# Altium PCB LimeSDR-X3_1v0.PcbDoc (part 17 of 25) (continued)
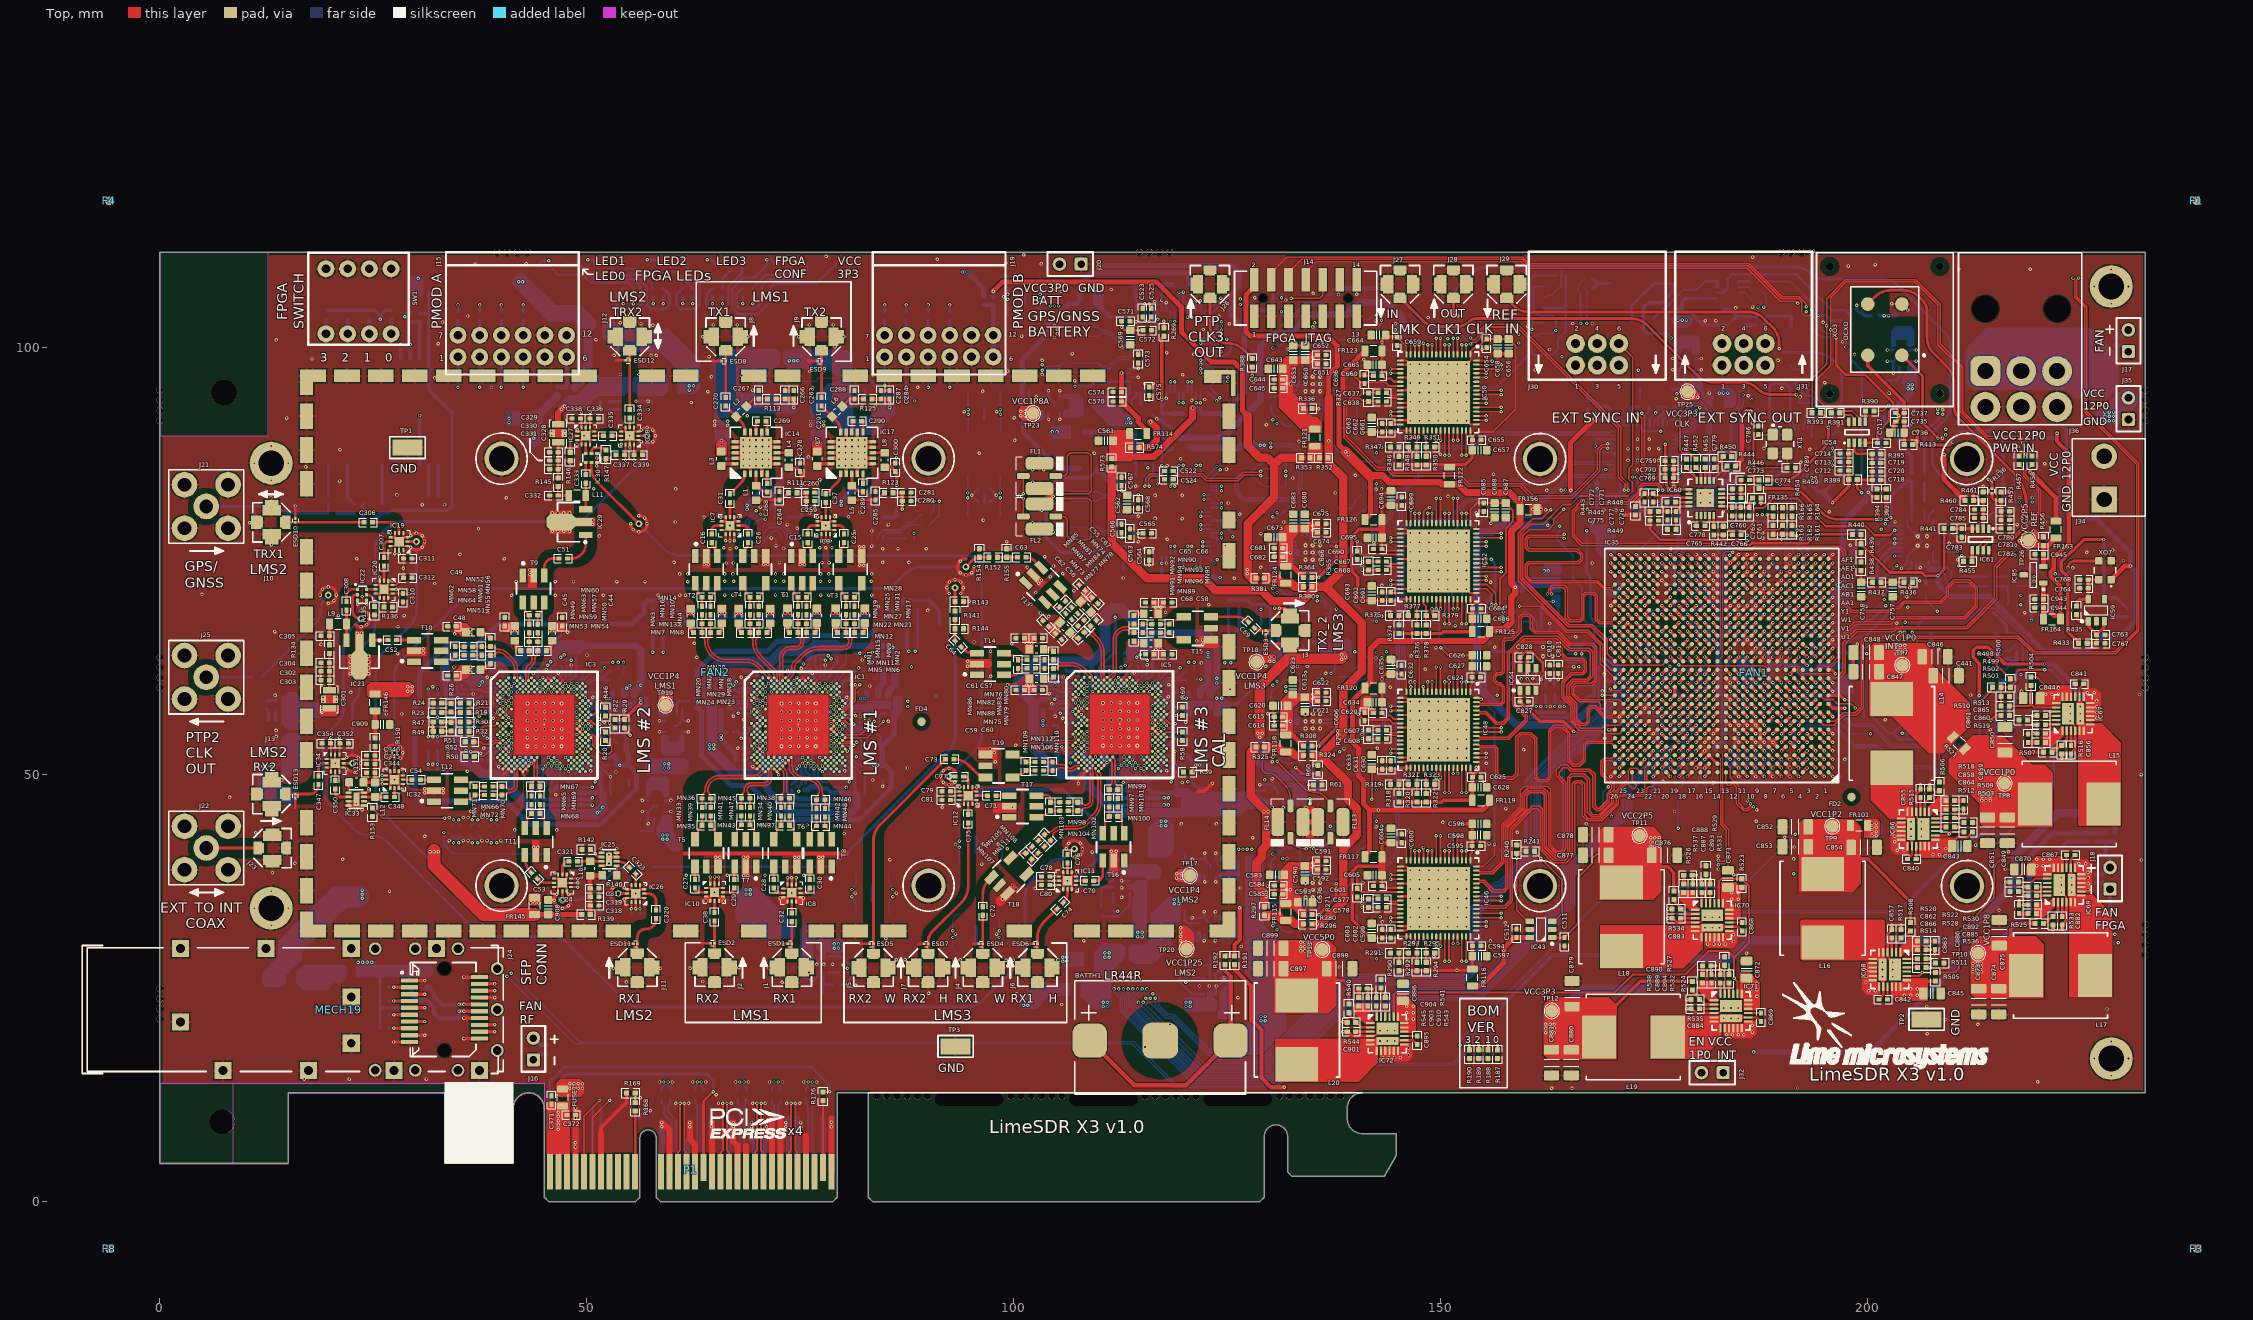
[diagram p0: Top view]
## Nets (pads, with @x,y where several pads share a name; then routed paths per layer and width w, separated by ;. In a path a pad name is that pad's centre, name@x,y a point inside that pad or via, vN(x,y) a via of type N, cw(c..) or ccw(c..) an arc to the next point about the centre after c; other vN are vias at no path point) (continued)
LMS3_BB_ADC2_DA6_P: IC35.V26 IC52.55 | length 43.8
  Top w0.15: v1(162.975,71.15) 162.975,71.218 162.85,71.343 162.85,71.625 163.125,71.9 164.4,71.9 164.575,71.725 164.575,68.367 165.067,67.875 166.35,67.875 166.75,68.275 166.75,70.85 167.025,71.125 167.825,71.125 168.075,70.875 168.075,68.136 168.561,67.65 170,67.65 IC35.V26@170.375,67.275
  Top w0.2: IC52.55@154.15,74.25 v1(157.05,74.25)
  L3 w0.1: v1(157.05,74.25) 157.109,74.25 157.259,74.1 157.65,74.1 157.825,74.275 157.825,74.622 159.303,76.1 161.383,76.1 162.108,76.825 162.833,76.825 163.5,76.158 163.5,75.192 163.108,74.8 161.1,74.8 160.425,74.125 160.425,72.539 160.55,72.414 160.55,70.158 160.783,69.925 161.175,69.925 161.375,70.125 161.375,72.458 161.667,72.75 162.558,72.75 162.825,72.483 162.825,71.359 162.975,71.209 v1(162.975,71.15)
LMS3_BB_ADC2_DB0_N: IC35.AC26 IC52.60 | length 43.6
  Top w0.15: v1(164.438,77.65) 164.37,77.65 164.245,77.775 160.329,77.775 160.125,77.571 160.125,76.664 160.364,76.425 166.004,76.425 166.6,75.829 166.6,75.146 166.129,74.675 160.329,74.675 160.125,74.471 160.125,73.254 160.654,72.725 168.379,72.725 169.204,71.9 170,71.9 IC35.AC26@170.375,72.275
  Top w0.2: IC52.60@154.15,76.75 v1(155.3,76.75)
  L3 w0.1: v1(155.3,76.75) 155.359,76.75 155.509,76.9 155.826,76.9 156.176,76.55 157.774,76.55 158.749,77.525 160.558,77.525 161.658,78.625 163.1,78.625 163.925,77.8 164.229,77.8 164.379,77.65 v1(164.438,77.65)
LMS3_BB_ADC2_DB0_P: IC35.AB26 IC52.61 | length 44.4
  Top w0.15: v1(164.438,78.15) 164.37,78.15 164.245,78.025 160.225,78.025 159.875,77.675 159.875,76.56 160.26,76.175 165.9,76.175 166.35,75.725 166.35,75.25 166.025,74.925 160.225,74.925 159.875,74.575 159.875,73.15 160.55,72.475 168.275,72.475 169.1,71.65 170,71.65 IC35.AB26@170.375,71.275
  Top w0.2: IC52.61@154.15,77.25 v1(155.3,77.25)
  L3 w0.1: v1(155.3,77.25) 155.359,77.25 155.509,77.1 155.909,77.1 156.259,76.75 157.691,76.75 158.666,77.725 160.475,77.725 161.575,78.825 163.183,78.825 163.399,78.609 164.008,78 164.229,78 164.379,78.15 v1(164.438,78.15)
LMS3_BB_ADC2_DB1_N: IC35.AB25 IC52.62 | length 43.4
  Top w0.2: IC52.62@154.15,77.75 v1(157.05,77.75)
  Top w0.4: IC35.AB25@171.375,71.275 v1(171.875,70.775)
  L3 w0.1: 156.85,77.9 156.525,77.9 155.225,79.2 154.783,79.2 153.233,77.65 152.765,77.65 152.5,77.385 152.5,77.05 152.85,76.7 153.85,76.7 154.95,77.8 155.575,77.8 155.775,77.8 156.425,77.15 157.525,77.15 158.525,78.15 160.175,78.15 161.775,79.75 164.733,79.75 165.1,79.383 165.1,69.85 166.175,68.775 169.65,68.775 170.225,69.35 172.1,69.35 172.275,69.525 172.275,70.375 v1(171.875,70.775) ; 156.871,77.9 157.021,77.75 v1(157.05,77.75)
LMS3_BB_ADC2_DB1_P: IC35.AA24 IC52.63 | length 44.4
  Top w0.2: IC52.63@154.15,78.25 v1(157.05,78.25)
  Top w0.4: IC35.AA24@172.375,70.275 v1(172.875,70.775)
  L3 w0.1: 156.85,78.1 156.733,78.1 156.608,78.1 155.308,79.4 154.7,79.4 153.15,77.85 152.682,77.85 152.3,77.468 152.3,76.967 152.767,76.5 153.933,76.5 155.033,77.6 155.692,77.6 156.342,76.95 157.608,76.95 158.608,77.95 160.258,77.95 161.858,79.55 164.65,79.55 164.9,79.3 164.9,69.767 166.092,68.575 169.733,68.575 170.308,69.15 172.183,69.15 172.475,69.442 172.475,70.375 v1(172.875,70.775) ; 156.871,78.1 157.021,78.25 v1(157.05,78.25)
LMS3_BB_ADC2_DB2_N: IC35.Y20 IC52.2 | length 43.9
  Top w0.2: IC52.2@152.95,79.45 v1(152.95,80.6)
  Top w0.4: v1(175.875,69.775) IC35.Y20@176.375,69.275
  L3 w0.1: v1(152.95,80.6) 152.95,80.629 152.8,80.779 152.8,82.3 153.225,82.725 165.95,82.725 166.5,82.175 166.5,74.225 168.075,72.65 170.175,72.65 170.75,73.225 171.975,73.225 172.25,72.95 172.25,72.567 172.667,72.15 174.028,72.15 174.425,72.547 174.425,73.025 174.55,73.15 177.1,73.15 177.275,72.975 177.275,72.475 177.15,72.35 176.672,72.35 176.275,71.953 176.275,71.177 176.275,71 176.15,70.875 175.775,70.875 175.675,70.775 175.675,70.525 175.775,70.425 176.15,70.425 176.25,70.325 176.25,69.875 176.15,69.775 v1(175.875,69.775)
LMS3_BB_ADC2_DB2_P: IC35.W20 IC52.3 | length 44.6
  Top w0.2: IC52.3@152.45,79.45 v1(152.45,80.6)
  Top w0.4: v1(175.875,68.775) IC35.W20@176.375,68.275
  L3 w0.1: v1(152.45,80.6) 152.45,80.629 152.6,80.779 152.6,81.25 152.6,82.383 153.142,82.925 166.033,82.925 166.7,82.258 166.7,74.308 168.158,72.85 170.092,72.85 170.667,73.425 172.058,73.425 172.45,73.033 172.45,72.65 172.75,72.35 173.945,72.35 174.225,72.63 174.225,73.108 174.467,73.35 177.183,73.35 177.475,73.058 177.475,72.392 177.233,72.15 176.755,72.15 176.475,71.87 176.475,71.26 176.475,71.177 176.475,69.375 v1(175.875,68.775)
LMS3_BB_ADC2_DB3_N: IC35.AC24 IC52.4 | length 43.6
  Top w0.2: IC52.4@151.95,79.45 v1(151.95,82.35)
  Top w0.4: v1(171.875,72.775) IC35.AC24@172.375,72.275
  L3 w0.1: v1(151.95,82.35) 151.95,82.321 151.8,82.171 151.8,80.375 152.15,80.025 153.117,80.025 153.375,80.283 153.375,82.033 153.667,82.325 157.581,82.325 157.95,81.956 157.95,79.675 158.2,79.425 159.3,79.425 159.5,79.625 159.5,81.957 159.868,82.325 165.434,82.325 166.3,81.459 166.3,72.206 166.731,71.775 167.57,71.775 168.17,72.375 168.883,72.375 169.483,71.775 169.873,71.775 170.473,72.375 171.475,72.375 v1(171.875,72.775)
LMS3_BB_ADC2_DB3_P: IC35.AB24 IC52.5 | length 44
  Top w0.2: IC52.5@151.45,79.45 v1(151.45,82.35)
  Top w0.4: v1(171.875,71.775) IC35.AB24@172.375,71.275
  L3 w0.1: v1(151.45,82.35) 151.45,82.321 151.6,82.171 151.6,80.783 151.6,80.275 152.05,79.825 153.2,79.825 153.575,80.2 153.575,81.95 153.75,82.125 157.498,82.125 157.75,81.873 157.75,79.592 158.117,79.225 159.383,79.225 159.7,79.542 159.7,81.874 159.951,82.125 165.351,82.125 166.1,81.376 166.1,72.124 166.649,71.575 167.653,71.575 168.253,72.175 168.8,72.175 169.4,71.575 169.956,71.575 170.556,72.175 171.475,72.175 v1(171.875,71.775)
LMS3_BB_ADC2_DB4_N: IC35.W19 IC52.6 | length 43.6
  Top w0.2: IC52.6@150.95,79.45 v1(150.95,80.6)
  Top w0.4: v1(176.875,68.775) IC35.W19@177.375,68.275
  L3 w0.1: v1(150.95,80.6) 150.95,80.571 150.8,80.421 150.8,79.925 151.1,79.625 153.642,79.625 154.442,80.425 157,80.425 157.475,79.95 157.475,79.491 157.966,79 159.492,79 160,79.508 160,80.075 160.5,80.575 165.275,80.575 165.9,79.95 165.9,72.041 166.566,71.375 175.158,71.375 175.475,71.058 175.475,68.184 175.759,67.9 176.859,67.9 177.125,68.166 177.125,68.525 v1(176.875,68.775)
LMS3_BB_ADC2_DB4_P: IC35.V19 IC52.7 | length 44.1
  Top w0.2: IC52.7@150.45,79.45 v1(150.45,80.6)
  Top w0.4: IC35.V19@177.375,67.275 v1(177.875,67.775)
  L3 w0.1: v1(150.45,80.6) 150.45,80.571 150.6,80.421 150.6,79.842 151.017,79.425 153.725,79.425 154.525,80.225 156.917,80.225 157.275,79.867 157.275,79.408 157.883,78.8 159.575,78.8 160.2,79.425 160.2,79.992 160.583,80.375 165.192,80.375 165.7,79.867 165.7,71.958 166.483,71.175 175.075,71.175 175.275,70.975 175.275,68.101 175.676,67.7 176.941,67.7 177.241,68 177.65,68 v1(177.875,67.775)
LMS3_BB_ADC2_DB5_N: IC35.AA25 IC52.8 | length 44.5
  Top w0.2: IC52.8@149.95,79.45 v1(149.95,82.35)
  Top w0.4: v1(170.875,70.775) IC35.AA25@171.375,70.275
  L3 w0.1: v1(149.95,82.35) 149.95,82.321 149.8,82.171 149.8,79.975 150.65,79.125 151.058,79.125 151.475,78.708 151.475,78.075 151.725,77.825 152.091,77.825 152.325,78.059 152.325,78.658 152.792,79.125 153.825,79.125 154.7,80 156.15,80 157.55,78.6 159.925,78.6 160.4,79.075 160.4,79.909 160.666,80.175 165.058,80.175 165.5,79.733 165.5,70.561 165.686,70.375 166.063,70.375 ccw(c166.063,70.56) 166.248,70.56 cw(c166.663,70.56) 166.663,70.975 166.733,70.975 cw(c166.733,70.56) 167.148,70.56 167.148,69.965 ccw(c167.363,69.965) 167.363,69.75 167.433,69.75 ccw(c167.433,69.965) 167.648,69.965 167.648,70.56 cw(c168.063,70.56) 168.063,70.975 168.133,70.975 cw(c168.133,70.56) 168.548,70.56 168.548,69.965 ccw(c168.763,69.965) 168.763,69.75 168.833,69.75 ccw(c168.833,69.965) 169.048,69.965 cw(c169.458,69.965) 169.458,70.375 170.475,70.375 v1(170.875,70.775)
LMS3_BB_ADC2_DB5_P: IC35.Y25 IC52.9 | length 44.8
  Top w0.2: IC52.9@149.45,79.45 v1(149.45,82.35)
  Top w0.4: v1(170.875,69.775) IC35.Y25@171.375,69.275
  L3 w0.1: v1(149.45,82.35) 149.45,82.321 149.6,82.171 149.6,80.541 149.6,79.892 150.567,78.925 150.975,78.925 151.275,78.625 151.275,77.992 151.642,77.625 152.174,77.625 152.525,77.976 152.525,78.575 152.875,78.925 153.908,78.925 154.783,79.8 156.067,79.8 157.467,78.4 160.008,78.4 160.6,78.992 160.6,79.826 160.749,79.975 164.975,79.975 165.3,79.65 165.3,70.478 165.603,70.175 166.063,70.175 ccw(c166.063,70.56) 166.448,70.56 cw(c166.663,70.56) 166.663,70.775 166.733,70.775 cw(c166.733,70.56) 166.948,70.56 166.948,69.965 ccw(c167.363,69.965) 167.363,69.55 167.433,69.55 ccw(c167.433,69.965) 167.848,69.965 167.848,70.56 cw(c168.063,70.56) 168.063,70.775 168.133,70.775 cw(c168.133,70.56) 168.348,70.56 168.348,69.965 ccw(c168.763,69.965) 168.763,69.55 168.833,69.55 ccw(c168.833,69.965) 169.248,69.965 cw(c169.458,69.965) 169.458,70.175 170.475,70.175 v1(170.875,69.775)
LMS3_BB_ADC2_DB6_N: IC35.Y26 IC52.10 | length 43.8
  Top w0.2: IC52.10@148.95,79.45 v1(148.95,80.6)
  Top w0.4: IC35.Y26@170.375,69.275 v1(170.875,68.775)
  L3 w0.1: v1(148.95,80.6) 148.95,80.571 148.8,80.421 148.8,79.725 149.125,79.4 149.75,79.4 150.35,78.8 150.35,72.65 150.65,72.35 151.025,72.35 151.25,72.575 151.25,74.255 151.545,74.55 152.201,74.55 152.4,74.749 152.4,75.249 152.801,75.65 153.542,75.65 154.242,76.35 157.856,76.35 158.806,77.3 160.65,77.3 161.775,78.425 162.958,78.425 164.7,76.683 164.7,69.55 165.875,68.375 170.475,68.375 v1(170.875,68.775)
LMS3_BB_ADC2_DB6_P: IC35.W25 IC52.11 | length 44.2
  Top w0.2: IC52.11@148.45,79.45 v1(148.45,80.6)
  Top w0.4: v1(170.875,67.775) IC35.W25@171.375,68.275
  L3 w0.1: v1(148.45,80.6) 148.45,80.571 148.6,80.421 148.6,79.642 149.042,79.2 149.667,79.2 150.15,78.717 150.15,72.567 150.567,72.15 151.108,72.15 151.45,72.492 151.45,74.172 151.628,74.35 152.284,74.35 152.6,74.666 152.6,75.166 152.884,75.45 153.625,75.45 154.325,76.15 154.95,76.15 157.35,76.15 157.939,76.15 158.889,77.1 160.733,77.1 161.858,78.225 162.875,78.225 164.5,76.6 164.5,69.467 165.792,68.175 169.549,68.175 170.475,68.175 v1(170.875,67.775)
LMS3_BB_ADC2_INA_N: IC52.30 R359.1 | length 13.4
  Top w0.2: v1(144.1,72.25) IC52.30@145.25,72.25
  L3 w0.1: v1(142.45,67.95) 142.075,68.325 cw(c142.437,68.687) 141.925,68.687 ccw(c141.33,68.687) 141.751,69.108 141.578,69.281 cw(c142.128,69.831) 141.35,69.831 141.35,71.018 cw(c144.107,71.018) 144.107,73.775 144.55,73.775 cw(c144.55,73.05) 145.275,73.05 145.275,73.027 cw(c144.648,73.027) 144.648,72.4 144.462,72.4 ccw(c144.462,72.029) 144.2,72.291 cw(c144.1,72.391) v1(144.1,72.25)
  Bottom w0.254: R359.1@141.372,68.497 141.543,68.326 ccw(c142.45,69.233) v1(142.45,67.95)
LMS3_BB_ADC2_INA_P: IC52.29 R363.1 | length 12.3
  Top w0.2: v1(144.1,72.75) IC52.29@145.25,72.75
  L3 w0.1: v1(143.05,68.55) 142.675,68.925 ccw(c142.313,68.563) 142.313,69.075 cw(c142.313,69.67) 141.892,69.249 141.72,69.421 cw(c142.13,69.832) 141.55,69.832 141.55,71.018 cw(c144.107,71.018) 144.107,73.575 144.55,73.575 cw(c144.55,73.05) 145.075,73.05 145.075,73.027 cw(c144.648,73.027) 144.648,72.6 144.462,72.6 cw(c144.462,72.971) 144.2,72.709 ccw(c144.1,72.609) v1(144.1,72.75)
  Bottom w0.254: R363.1@142.503,69.628 142.674,69.457 cw(c141.767,68.55) v1(143.05,68.55)
LMS3_BB_ADC2_INB_N: IC52.20 R369.1 | length 12.4
  Top w0.2: v1(144.1,77.25) IC52.20@145.25,77.25
  L3 w0.1: v1(143.05,83.45) 142.675,83.075 cw(c142.313,83.437) 142.313,82.925 ccw(c142.313,82.33) 141.892,82.751 141.721,82.579 ccw(c142.254,82.046) 141.5,82.046 141.5,80.975 ccw(c143.375,80.975) 143.375,79.1 144.23,79.1 cw(c144.23,78.305) 145.025,78.305 145.025,77.85 cw(c144.575,77.85) 144.575,77.4 144.462,77.4 ccw(c144.462,77.029) 144.2,77.291 cw(c144.1,77.391) v1(144.1,77.25)
  Bottom w0.254: R369.1@142.503,82.372 142.674,82.543 ccw(c141.767,83.45) v1(143.05,83.45)
LMS3_BB_ADC2_INB_P: IC52.19 R373.1 | length 12.3
  Top w0.2: v1(144.1,77.75) IC52.19@145.25,77.75
  L3 w0.1: v1(142.45,84.05) 142.075,83.675 ccw(c142.437,83.313) 141.925,83.313 cw(c141.33,83.313) 141.751,82.892 141.579,82.72 ccw(c142.251,82.048) 141.3,82.048 141.3,80.975 ccw(c143.375,80.975) 143.375,78.9 144.2,78.9 cw(c144.2,78.275) 144.825,78.275 144.825,77.85 cw(c144.575,77.85) 144.575,77.6 144.462,77.6 cw(c144.462,77.971) 144.2,77.709 ccw(c144.1,77.609) v1(144.1,77.75)
  Bottom w0.254: R373.1@141.372,83.503 141.543,83.674 cw(c142.45,82.767) v1(142.45,84.05)
LMS3_BB_ADC2_VCM: C666.2 C669.1 C676.1 IC52.23 IC53.11 IC53.17 | length 19.8
  Top w0.24: v1(140.199,77.299) C666.2@140.199,76.176 140.625,75.75 IC52.23@145.25,75.75
  L3 w0.5: v1(136.1,80.925) 136.573,80.925 v1(140.199,77.299)
  Bottom w0.254: C676.1@135.55,80.925 135.55,79.075 135.75,78.875 IC53.11@135.75,78 ; IC53.17@137,75.25 137.925,75.25 138.25,75.575 C669.1@138.725,75.575 139.25,76.1 139.25,76.575 139.974,77.299 v1(140.199,77.299)
  Bottom w0.4: C676.1@135.55,80.925 v1(136.1,80.925)
LMS3_BB_DRV1A_N: IC51.19 R330.2 | length 2.7
  Bottom w0.2: IC51.19@136.25,93.75 136.25,93.289 ccw(c138.79,93.289) 136.994,91.493 R330.2@137.2,91.287
LMS3_BB_DRV1A_P: IC51.18 R334.2 | length 2.7
  Bottom w0.2: IC51.18@137,94.5 137.461,94.5 cw(c137.461,91.96) 139.257,93.756 R334.2@139.463,93.55
LMS3_BB_DRV1AC_N: C639.1 C641.1 R330.1 R331.2 | length 3.7
  Bottom w0.2: R330.1@137.907,90.58 139.392,90.58 C641.1@139.427,90.615 139.622,90.42 cw(c138.898,89.696) C639.1@139.922,89.696 R331.2@140.665,88.954
LMS3_BB_DRV1AC_P: C641.2 C642.2 R334.1 R335.2 | length 3.7
  Bottom w0.2: R334.1@140.17,92.843 140.17,91.358 C641.2@140.135,91.323 140.33,91.128 ccw(c141.054,91.852) C642.2@141.054,90.828 R335.2@141.796,90.085
LMS3_BB_DRV1B_N: IC51.13 R340.2 | length 2.7
  Bottom w0.2: IC51.13@137,97 137.461,97 ccw(c137.461,99.54) 139.257,97.744 R340.2@139.463,97.95
LMS3_BB_DRV1B_P: IC51.12 R344.2 | length 2.7
  Bottom w0.2: IC51.12@136.25,97.75 136.25,98.211 cw(c138.79,98.211) 136.994,100.007 R344.2@137.2,100.213
LMS3_BB_DRV1BC_N: C647.1 C648.1 R340.1 R341.2 | length 3.7
  Bottom w0.2: R340.1@140.161,98.649 140.161,100.134 C648.1@140.126,100.169 140.321,100.364 cw(c141.045,99.64) C647.1@141.045,100.664 R341.2@141.788,101.406
LMS3_BB_DRV1BC_P: C648.2 C649.2 R344.1 R345.2 | length 3.7
  Bottom w0.2: R344.1@137.899,100.911 139.384,100.911 C648.2@139.419,100.876 139.614,101.071 ccw(c138.89,101.795) C649.2@139.914,101.795 R345.2@140.656,102.538
LMS3_BB_DRV2A_N: IC53.19 R358.2 | length 2.7
  Bottom w0.2: IC53.19@136.25,74 136.25,73.539 ccw(c138.79,73.539) 136.994,71.743 R358.2@137.2,71.537
LMS3_BB_DRV2A_P: IC53.18 R362.2 | length 2.7
  Bottom w0.2: IC53.18@137,74.75 137.461,74.75 cw(c137.461,72.21) 139.257,74.006 R362.2@139.463,73.8
LMS3_BB_DRV2AC_N: C670.1 C671.1 R358.1 R359.2 | length 3.7
  Bottom w0.2: R358.1@137.907,70.83 139.392,70.83 C671.1@139.427,70.865 139.622,70.67 cw(c138.898,69.946) C670.1@139.922,69.946 R359.2@140.665,69.204
LMS3_BB_DRV2AC_P: C671.2 C672.2 R362.1 R363.2 | length 3.7
  Bottom w0.2: R362.1@140.17,73.093 140.17,71.608 C671.2@140.135,71.573 140.33,71.378 ccw(c141.054,72.102) C672.2@141.054,71.078 R363.2@141.796,70.335
LMS3_BB_DRV2B_N: IC53.13 R368.2 | length 2.7
  Bottom w0.2: IC53.13@137,77.25 137.461,77.25 ccw(c137.461,79.79) 139.257,77.994 R368.2@139.463,78.2
LMS3_BB_DRV2B_P: IC53.12 R372.2 | length 2.7
  Bottom w0.2: IC53.12@136.25,78 136.25,78.461 cw(c138.79,78.461) 136.994,80.257 R372.2@137.2,80.463
LMS3_BB_DRV2BC_N: C677.1 C678.1 R368.1 R369.2 | length 3.7
  Bottom w0.2: R368.1@140.17,78.907 140.17,80.392 C678.1@140.135,80.427 140.33,80.622 cw(c141.054,79.898) C677.1@141.054,80.922 R369.2@141.796,81.665
LMS3_BB_DRV2BC_P: C678.2 C679.2 R372.1 R373.2 | length 3.7
  Bottom w0.2: R372.1@137.907,81.17 139.392,81.17 C678.2@139.427,81.135 139.622,81.33 ccw(c138.898,82.054) C679.2@139.922,82.054 R373.2@140.665,82.796
LMS3_CORE_LDO_EN: IC5.U33 R63.1 R64.2 | length 6.2
  Bottom w0.2: v2@117.597,56.022 117.679,56.104 118.046,56.104 118.965,55.185 120.015,55.185 120.49,54.71 R63.1@121.046,54.71 122.146,55.81 R64.2@122.746,55.81
  other v2: 117.551,56.062
LMS3_I2C_SCL: IC5.C27 IC6.6 R72.2 | length 17.6
  L4 w0.1: v2(115.553,60.724) 116.679,61.85 119.7,61.85 120.375,62.525 124.825,62.525 v1(125.4,63.1)
  Bottom w0.4: v1(125.4,63.1) 125.65,63.35 125.65,66.375 126.396,67.121 IC6.6@126.396,67.673 R72.2@126.396,69.413
LMS3_I2C_SDA: IC5.D26 IC6.5 R73.2 | length 17.4
  L4 w0.1: v2(115.22,60.391) 115.22,60.895 116.45,62.125 119.692,62.125 120.292,62.725 124.3,62.725 v1(124.675,63.1)
  Bottom w0.4: v1(124.675,63.1) 125.126,63.551 IC6.5@125.126,67.673 R73.2@125.126,69.413
LMS3_RESET: IC5.E27 IC35.W6 R60.1 | length 167.6
  Top w0.4: v1(135.125,51.075) 135.575,51.075 R60.1@135.6,51.1 ; IC35.W6@190.375,68.275 v1(190.875,68.775)
  L3 w0.1: v1(135.125,51.075) 134.9,51.3 134.9,53.464 133.6,54.764 133.6,60.109 135.325,61.834 135.325,62.844 137.981,65.5 142.675,65.5 145.75,68.575 145.75,69.183 147.975,71.408 147.975,78.475 145.65,80.8 145.65,88.975 147.95,91.275 147.95,91.775 148.275,92.1 148.792,92.1 149.1,92.408 149.1,98.242 148.792,98.55 148.267,98.55 147.492,99.325 146.892,99.325 146.1,100.117 146.1,100.878 146.897,101.675 152.544,101.675 154.675,101.675 159.675,96.675 176.133,96.675 177.333,95.475 186.125,95.475 190.275,91.325 190.275,90.191 190.275,86.575 190.275,83 188.775,81.5 188.775,80.05 186.9,78.175 186.9,76.675 186.275,76.05 186.275,75.65 185.975,75.35 185.642,75.35 185.325,75.033 185.325,71.547 185.672,71.2 186.067,71.2 186.325,70.942 186.325,70.537 186.687,70.175 186.98,70.175 187.755,69.4 190.25,69.4 v1(190.875,68.775)
  L4 w0.1: v2(115.553,60.058) 116.208,60.058 117.775,61.625 119.825,61.625 120.25,62.05 124.15,62.05 v1(135.125,51.075)
LMS3_RX1_BB_I_N: IC5.AB2 R326.2 R329.2 | length 67.2
  L3 w0.1: v2@107.274,54.357 107.274,54.955 ccw(c104.949,54.955) 106.609,56.584 ccw(c104.949,54.955) 106.593,56.599 cw(c107.542,57.548) 106.2,57.548 106.2,58.974 cw(c108.937,58.974) 107.002,60.91 112.131,66.039 ccw(c110.939,67.231) 112.625,67.231 112.625,67.801 cw(c115.057,67.801) 113.337,69.52 115.04,71.223 cw(c116.976,69.288) 116.976,72.025 122.648,72.025 ccw(c122.648,74.565) 124.444,72.769 127.531,75.856 ccw(c125.735,77.652) 128.275,77.652 128.275,82.575 cw(c129.45,82.575) 129.45,83.75 133.579,83.75 ccw(c133.579,84.321) 134.15,84.321 134.15,87.725 ccw(c133.925,87.725) 133.925,87.95 132.35,87.95 ccw(c132.35,87.675) 132.075,87.675 132.075,86.644 cw(c131.606,86.644) 131.606,86.175 129.083,86.175 cw(c129.083,87.208) 128.05,87.208 128.05,88.651 cw(c128.751,88.651) 128.255,89.147 129.076,89.967 ; 129.077,89.968 ccw(c131.012,88.033) 129.076,89.967 ; v1(130.325,91.55) cw(c129.52,91.55) 130.089,90.981 129.076,89.967
  Bottom w0.254: R326.2@130.075,93.25 130.075,92.78 ccw(c130.884,92.78) 130.312,92.208 R329.2@130.531,91.989 cw(c129.971,91.989) v1@130.367,91.592
  other v2: 107.228,54.397
LMS3_RX1_BB_I_P: IC5.Y6 R329.1 R332.2 | length 67.3
  L3 w0.1: v2@108.606,55.023 108.606,55.15 ccw(c107.475,55.15) 108.275,55.95 ccw(c107.611,55.286) 107.611,56.225 107.5,56.225 cw(c107.5,56.829) 107.073,56.402 106.736,56.739 cw(c107.547,57.55) 106.4,57.55 106.4,58.973 cw(c108.94,58.973) 107.144,60.769 108.596,62.221 112.276,65.901 ccw(c110.951,67.226) 112.825,67.226 112.825,67.8 cw(c115.058,67.8) 113.479,69.379 115.181,71.081 cw(c116.977,69.285) 116.977,71.825 122.649,71.825 ccw(c122.649,74.562) 124.585,72.627 127.673,75.715 ccw(c125.738,77.651) 128.475,77.651 128.475,82.575 cw(c129.45,82.575) 129.45,83.55 133.579,83.55 ccw(c133.579,84.321) 134.35,84.321 134.35,87.725 ccw(c133.925,87.725) 133.925,88.15 132.35,88.15 ccw(c132.35,87.675) 131.875,87.675 131.875,86.65 cw(c131.6,86.65) 131.6,86.375 129.1,86.375 cw(c129.1,87.225) 128.25,87.225 128.25,88.65 cw(c128.754,88.65) 128.397,89.006 130.231,90.839 cw(c130.8,90.27) v1(130.8,91.075)
  Bottom w0.254: v1@130.842,91.117 cw(c131.239,90.721) R329.1@131.239,91.281 131.458,91.062 ccw(c132.03,91.634) 132.03,90.825 R332.2@132.5,90.825
  other v2: 108.56,55.063
LMS3_RX1_BB_Q_N: IC5.AA5 R337.2 R339.2 | length 67.5
  L3 w0.1: v2(108.227,54.73) 107.847,54.73 ccw(c107.847,54.422) 107.629,54.64 ccw(c107.812,54.457) 107.553,54.457 107.553,54.315 cw(c107.154,54.315) 107.436,54.032 cw(c107.212,54.256) 107.212,53.94 106.816,53.94 cw(c106.816,54.316) 106.55,54.05 104.469,56.131 cw(c106.265,57.927) 103.725,57.927 103.725,59.815 cw(c106.465,59.815) 104.528,61.753 114.731,71.956 cw(c116.527,70.16) 116.527,72.7 121.274,72.7 ccw(c121.274,75.437) 123.21,73.502 126.748,77.04 ccw(c124.813,78.976) 127.55,78.976 127.55,89.248 cw(c130.09,89.248) 128.294,91.044 130.123,92.873 ccw(c128.188,94.809) 130.925,94.809 130.925,96.15 cw(c131.45,96.15) 131.45,96.675 131.65,96.675 ccw(c131.65,97.3) 132.275,97.3 132.275,98.278 ccw(c131.457,98.278) 132.035,98.856 131.036,99.856 cw(c131.605,100.425) v1(130.8,100.425)
  Bottom w0.254: v1@130.842,100.383 ccw(c131.239,100.779) R339.2@131.239,100.219 131.458,100.438 cw(c132.03,99.866) 132.03,100.675 R337.2@132.5,100.675
LMS3_RX1_BB_Q_P: IC5.AB4 R339.1 R342.2 | length 67.4
  L3 w0.1: v2(107.894,54.397) cw(c107.43,54.397) 107.758,54.069 107.579,53.89 cw(c107.217,54.252) 107.217,53.74 106.814,53.74 cw(c106.814,54.312) 106.41,53.907 105.867,54.45 105.475,54.45 105.35,54.575 105.35,54.967 104.327,55.99 cw(c106.263,57.926) 103.525,57.926 103.525,59.981 cw(c106.065,59.981) 104.269,61.777 114.59,72.098 cw(c116.526,70.162) 116.526,72.9 121.273,72.9 ccw(c121.273,75.44) 123.069,73.644 126.606,77.181 ccw(c124.81,78.977) 127.35,78.977 127.35,89.249 cw(c130.087,89.249) 128.152,91.185 129.981,93.014 ccw(c128.185,94.81) 130.725,94.81 130.725,96.15 cw(c131.45,96.15) 131.45,96.875 131.65,96.875 ccw(c131.65,97.3) 132.075,97.3 132.075,98.275 ccw(c131.451,98.275) 131.892,98.716 130.894,99.714 ccw(c130.325,99.145) v1(130.325,99.95)
  Bottom w0.254: R342.2@130.075,98.25 130.075,98.72 cw(c130.884,98.72) 130.312,99.292 R339.1@130.531,99.511 ccw(c129.971,99.511) v1@130.367,99.908
LMS3_RX1_H: C70.1 IC11.5 | length 1.2
  Top w0.325: IC11.5@107.175,37.575 IC11.5@107.3,37.575 ; IC11.5@107.275,37.575 C70.1@108.35,37.575
LMS3_RX1_H_IN: C74.2 ESD6.1 J6.1 | length 6.1
  Top w0.325: J6.1@102.75,29.025 J6.1@102.75,29.1 ESD6.1@102.75,30.175 102.75,30.923 cw(c105.29,30.923) 103.494,32.719 C74.2@105.068,34.293
LMS3_RX1_W: C72.1 ESD4.1 J4.1 | length 4.5
  Top w0.325: J4.1@96.35,29.025 J4.1@96.35,29.1 ESD4.1@96.35,30.175 C72.1@96.35,33.529
LMS3_RX2_BB_I_N: IC5.AC3 R354.2 R357.2 | length 68.1
  Top w0.1: 106.484,54.023 106.887,54.023 106.928,54.064 IC5.AC3@107.561,54.064
  Top w0.15: v1(103.329,53.465) 103.329,53.85 105.15,53.85 105.323,54.023 106.484,54.023
  L3 w0.1: 103.192,52.983 ccw(c103.958,52.218) 102.875,52.218 102.875,51.875 ccw(c103.739,51.875) 103.128,51.264 105.565,48.828 ccw(c107.502,50.765) 107.502,48.025 119.299,48.025 ccw(c119.299,50.762) 121.235,48.827 125.223,52.815 ccw(c123.288,54.751) 126.025,54.751 126.025,56.124 cw(c126.248,56.124) 126.248,56.347 126.925,56.347 ccw(c126.925,56.77) 127.348,56.77 127.348,56.932 ccw(c126.925,56.932) 126.925,57.355 124.925,57.355 cw(c124.925,57.578) 124.702,57.578 124.702,57.74 cw(c124.925,57.74) 124.925,57.963 126.925,57.963 ccw(c126.925,58.386) 127.348,58.386 127.348,58.548 ccw(c126.925,58.548) 126.925,58.971 126.248,58.971 cw(c126.248,59.194) 126.025,59.194 126.025,61.148 cw(c126.727,61.148) 126.727,61.85 129.256,61.85 ccw(c129.256,64.268) 130.966,62.558 131.998,63.59 ccw(c130.063,65.526) 132.8,65.526 132.8,71.945 ccw(c132.12,71.945) 132.12,72.625 131.849,72.625 ccw(c131.849,71.743) 131.225,72.367 130.936,72.077 ; 103.192,52.984 ccw(c102.795,53.381) 103.357,53.381 cw(c103.419,53.381) v1@103.375,53.425 ; v1(130.325,71.8) ccw(c130.325,72.605) 130.894,72.036
  Bottom w0.254: R354.2@130.075,73.5 130.075,73.03 ccw(c130.884,73.03) 130.312,72.458 R357.2@130.531,72.239 cw(c129.971,72.239) v1@130.367,71.842
LMS3_RX2_BB_I_P: IC5.AD2 R357.1 R360.2 | length 66.9
  Top w0.1: 106.525,53.731 IC5.AD2@107.228,53.731
  Top w0.15: v1(103.729,53.065) 104.036,53.065 104.546,53.575 105.275,53.575 105.431,53.731 106.525,53.731
  L3 w0.1: v1@103.731,53.007 ccw(c103.731,52.445) 103.334,52.842 ccw(c103.958,52.218) 103.075,52.218 103.075,51.875 ccw(c103.739,51.875) 103.269,51.406 103.55,51.125 103.571,51.104 ccw(c103.762,51.295) 103.953,51.104 104.08,51.231 cw(c104.271,51.04) 104.462,51.231 104.504,51.188 cw(c104.313,50.998) 104.504,50.807 104.377,50.68 ccw(c104.568,50.489) 104.377,50.298 104.463,50.213 105.706,48.969 ccw(c107.502,50.765) 107.502,48.225 119.298,48.225 ccw(c119.298,50.765) 121.094,48.969 125.081,52.956 ccw(c123.285,54.752) 125.825,54.752 125.825,56.124 cw(c126.248,56.124) 126.248,56.547 126.925,56.547 ccw(c126.925,56.77) 127.148,56.77 127.148,56.932 ccw(c126.925,56.932) 126.925,57.155 124.925,57.155 cw(c124.925,57.578) 124.502,57.578 124.502,57.74 cw(c124.925,57.74) 124.925,58.163 126.925,58.163 ccw(c126.925,58.386) 127.148,58.386 127.148,58.548 ccw(c126.925,58.548) 126.925,58.771 126.248,58.771 cw(c126.248,59.194) 125.825,59.194 125.825,61.154 cw(c126.721,61.154) 126.721,62.05 129.256,62.05 ccw(c129.256,64.269) 130.825,62.7 131.856,63.731 ccw(c130.06,65.527) 132.6,65.527 132.6,71.945 ccw(c132.12,71.945) 132.12,72.425 131.85,72.425 ccw(c131.85,71.74) 131.366,72.224 131.036,71.894 ccw(c131.605,71.325) v1(130.8,71.325)
  Bottom w0.254: v1@130.842,71.367 cw(c131.239,70.971) R357.1@131.239,71.531 131.458,71.312 ccw(c132.03,71.884) 132.03,71.075 R360.2@132.5,71.075
LMS3_RX2_BB_Q_N: IC5.AB6 R365.2 R367.2 | length 68.7
  L3 w0.1: v2(108.56,54.397) 108.961,54.397 ccw(c108.961,54.715) 109.279,54.715 109.279,54.965 cw(c109.504,54.965) 109.504,55.19 109.579,55.19 cw(c109.579,54.923) 109.845,54.923 109.845,54.356 ccw(c110.201,54.356) 110.201,54 120.435,54 ccw(c120.435,55.465) 121.9,55.465 121.9,59.25 ccw(c121.35,59.25) 121.35,59.8 119.475,59.8 cw(c119.475,60.4) 118.875,60.4 118.875,60.8 ccw(c118.175,60.8) 118.175,61.5 116.426,61.5 cw(c116.426,64.238) 114.49,62.302 113.958,62.834 cw(c115.003,63.879) 113.525,63.879 113.525,67.224 cw(c116.262,67.224) 114.327,69.16 115.615,70.448 cw(c117.551,68.513) 117.551,71.25 126.208,71.25 ccw(c126.208,73.102) 127.517,71.792 ccw(c125.723,73.59) 127.519,71.794 129.506,73.781 ccw(c127.71,75.577) 130.25,75.577 130.25,76.651 cw(c131.837,76.651) 130.715,77.773 131.784,78.841 ccw(c130.899,79.726) 132.15,79.726 132.15,82.275 ccw(c131.725,82.275) 131.725,82.7 130.525,82.7 ccw(c130.525,82.15) 129.975,82.15 129.975,81.388 ccw(c130.511,81.388) 130.132,81.01 130.231,80.911 ccw(c130.8,81.48) v1(130.8,80.675)
  Bottom w0.254: v1@130.842,80.633 ccw(c131.239,81.029) R367.2@131.239,80.469 131.458,80.688 cw(c132.03,80.116) 132.03,80.925 R365.2@132.5,80.925
LMS3_RX2_BB_Q_P: IC5.AC5 R367.1 R370.2 | length 68.8
  L3 w0.1: v2(108.227,54.064) 109.243,54.064 cw(c109.243,53.599) 109.572,53.928 109.6,53.9 ; 109.6,53.9 ccw(c109.841,54.141) 109.841,53.8 120.482,53.8 ccw(c120.482,55.418) 122.1,55.418 122.1,59.25 ccw(c121.35,59.25) 121.35,60 119.475,60 cw(c119.475,60.4) 119.075,60.4 119.075,60.8 ccw(c118.175,60.8) 118.175,61.7 116.427,61.7 cw(c116.427,64.24) 114.631,62.444 114.1,62.975 cw(c115.005,63.88) 113.725,63.88 113.725,67.223 cw(c116.265,67.223) 114.469,69.019 115.756,70.306 cw(c117.552,68.51) 117.552,71.05 126.211,71.05 ccw(c126.211,73.094) 127.657,71.649 127.659,71.651 ; 127.66,71.652 129.648,73.64 ccw(c127.713,75.576) 130.45,75.576 130.45,76.65 cw(c131.838,76.65) 130.857,77.632 131.927,78.702 ccw(c130.906,79.723) 132.35,79.723 132.35,82.275 ccw(c131.725,82.275) 131.725,82.9 130.525,82.9 ccw(c130.525,82.15) 129.775,82.15 129.775,81.387 ccw(c130.508,81.387) 129.989,80.87 ; 129.99,80.869 130.089,80.769 cw(c129.52,80.2) v1(130.325,80.2)
  Bottom w0.254: R370.2@130.075,78.5 130.075,78.97 cw(c130.884,78.97) 130.312,79.542 R367.1@130.531,79.761 ccw(c129.971,79.761) v1@130.367,80.158